# KiCad board gnss_card_rev1.kicad_pcb (continued)
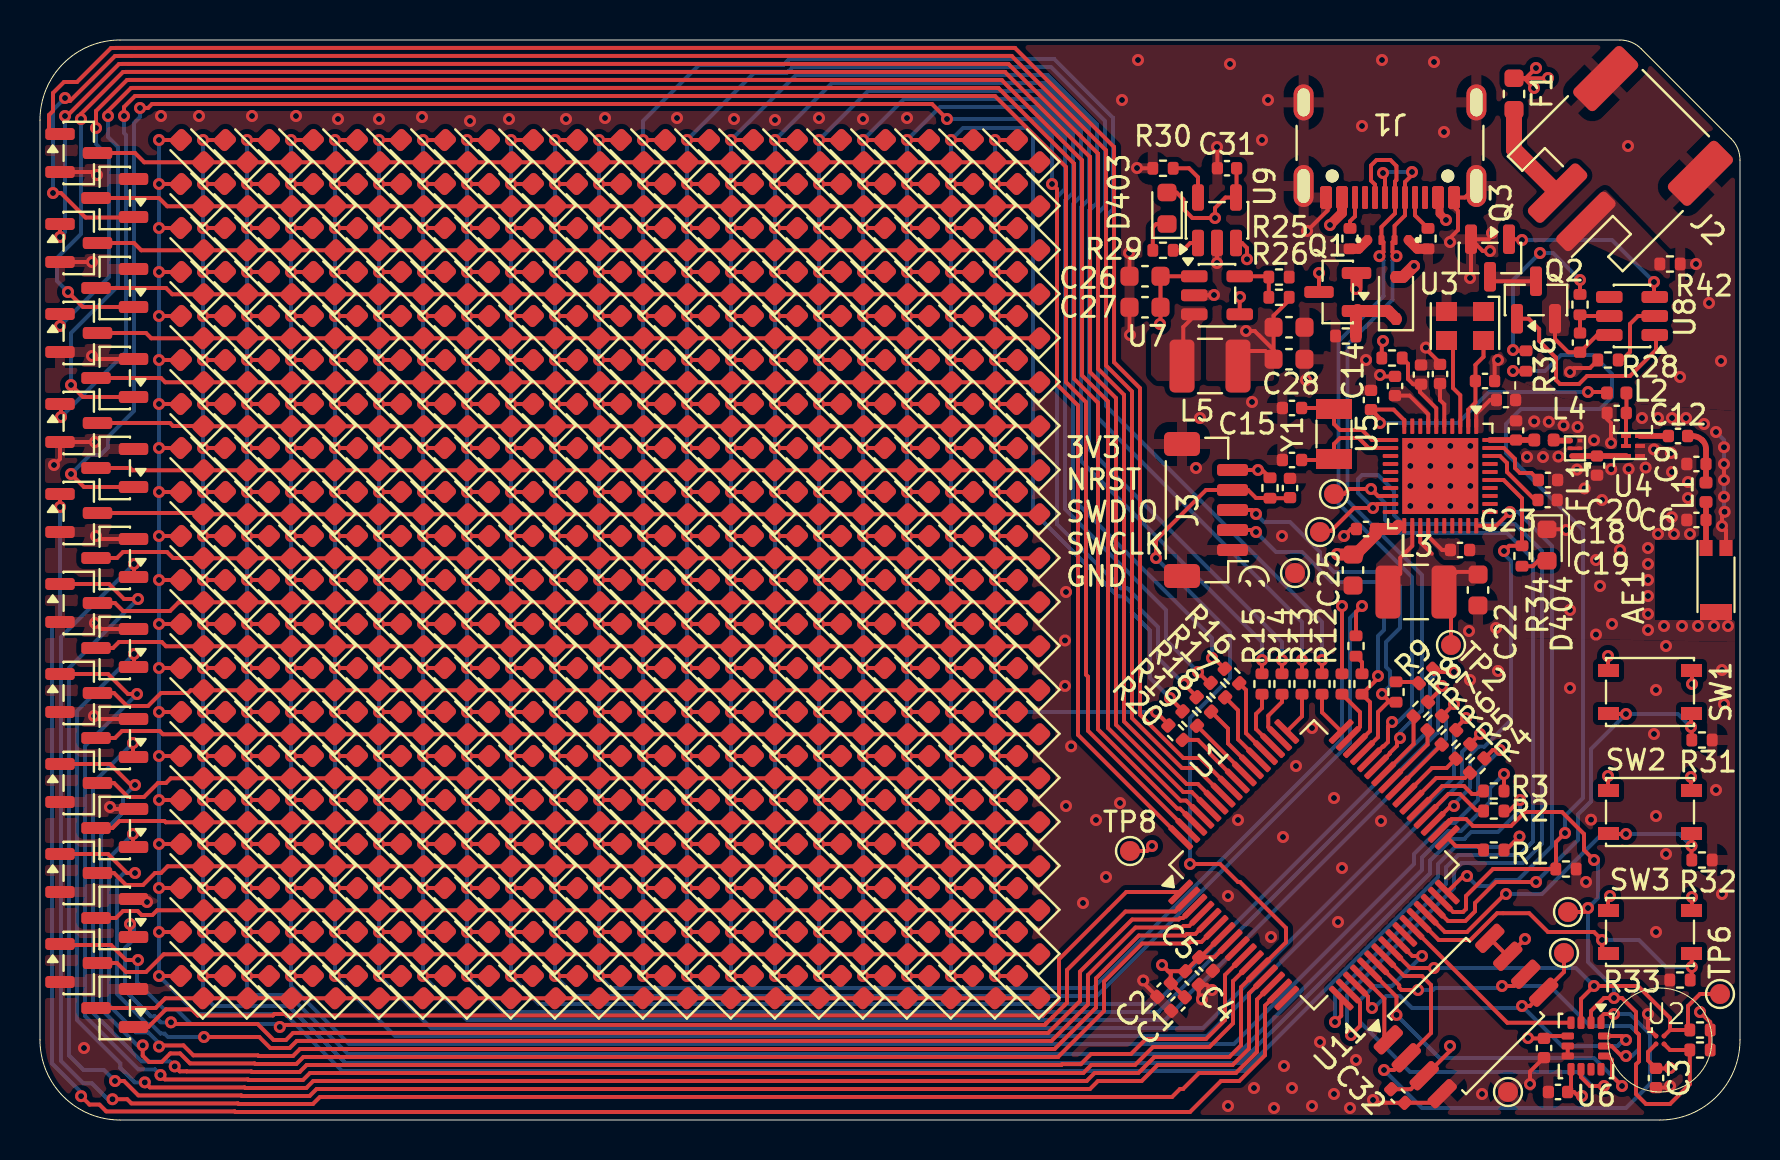
[diagram p0: board, top side]
## Placement (name value [footprint] x y rotation side) (continued)
D313  LED_45deg  [LED_0603_1608Metric]  40.61 22.04 135 top
D314  LED_45deg  [LED_0603_1608Metric]  40.61 19.84 135 top
D315  LED_45deg  [LED_0603_1608Metric]  40.61 17.64 135 top
D316  LED_45deg  [LED_0603_1608Metric]  40.61 15.44 135 top
D317  LED_45deg  [LED_0603_1608Metric]  40.61 13.24 135 top
D318  LED_45deg  [LED_0603_1608Metric]  40.61 11.04 135 top
D319  LED_45deg  [LED_0603_1608Metric]  40.61 8.84 135 top
D320  LED_45deg  [LED_0603_1608Metric]  40.61 6.64 135 top
D321  LED_45deg  [LED_0603_1608Metric]  42.81 48.44 135 top
D322  LED_45deg  [LED_0603_1608Metric]  42.81 46.24 135 top
D323  LED_45deg  [LED_0603_1608Metric]  42.81 44.04 135 top
D324  LED_45deg  [LED_0603_1608Metric]  42.81 41.84 135 top
D325  LED_45deg  [LED_0603_1608Metric]  42.81 39.64 135 top
D326  LED_45deg  [LED_0603_1608Metric]  42.81 37.44 135 top
D327  LED_45deg  [LED_0603_1608Metric]  42.81 35.24 135 top
D328  LED_45deg  [LED_0603_1608Metric]  42.81 33.04 135 top
D329  LED_45deg  [LED_0603_1608Metric]  42.81 30.84 135 top
D330  LED_45deg  [LED_0603_1608Metric]  42.81 28.64 135 top
D331  LED_45deg  [LED_0603_1608Metric]  42.81 26.44 135 top
D332  LED_45deg  [LED_0603_1608Metric]  42.81 24.24 135 top
D333  LED_45deg  [LED_0603_1608Metric]  42.81 22.04 135 top
D334  LED_45deg  [LED_0603_1608Metric]  42.81 19.84 135 top
D335  LED_45deg  [LED_0603_1608Metric]  42.81 17.64 135 top
D336  LED_45deg  [LED_0603_1608Metric]  42.81 15.44 135 top
D337  LED_45deg  [LED_0603_1608Metric]  42.81 13.24 135 top
D338  LED_45deg  [LED_0603_1608Metric]  42.81 11.04 135 top
D339  LED_45deg  [LED_0603_1608Metric]  42.81 8.84 135 top
D340  LED_45deg  [LED_0603_1608Metric]  42.81 6.64 135 top
D341  LED_45deg  [LED_0603_1608Metric]  45.01 48.44 135 top
D342  LED_45deg  [LED_0603_1608Metric]  45.01 46.24 135 top
D343  LED_45deg  [LED_0603_1608Metric]  45.01 44.04 135 top
D344  LED_45deg  [LED_0603_1608Metric]  45.01 41.84 135 top
D345  LED_45deg  [LED_0603_1608Metric]  45.01 39.64 135 top
D346  LED_45deg  [LED_0603_1608Metric]  45.01 37.44 135 top
D347  LED_45deg  [LED_0603_1608Metric]  45.01 35.24 135 top
D348  LED_45deg  [LED_0603_1608Metric]  45.01 33.04 135 top
D349  LED_45deg  [LED_0603_1608Metric]  45.01 30.84 135 top
D350  LED_45deg  [LED_0603_1608Metric]  45.01 28.64 135 top
D351  LED_45deg  [LED_0603_1608Metric]  45.01 26.44 135 top
D352  LED_45deg  [LED_0603_1608Metric]  45.01 24.24 135 top
D353  LED_45deg  [LED_0603_1608Metric]  45.01 22.04 135 top
D354  LED_45deg  [LED_0603_1608Metric]  45.01 19.84 135 top
D355  LED_45deg  [LED_0603_1608Metric]  45.01 17.64 135 top
D356  LED_45deg  [LED_0603_1608Metric]  45.01 15.44 135 top
D357  LED_45deg  [LED_0603_1608Metric]  45.01 13.24 135 top
D358  LED_45deg  [LED_0603_1608Metric]  45.01 11.04 135 top
D359  LED_45deg  [LED_0603_1608Metric]  45.01 8.84 135 top
D360  LED_45deg  [LED_0603_1608Metric]  45.01 6.64 135 top
D361  LED_45deg  [LED_0603_1608Metric]  47.21 48.44 135 top
D362  LED_45deg  [LED_0603_1608Metric]  47.21 46.24 135 top
D363  LED_45deg  [LED_0603_1608Metric]  47.21 44.04 135 top
D364  LED_45deg  [LED_0603_1608Metric]  47.21 41.84 135 top
D365  LED_45deg  [LED_0603_1608Metric]  47.21 39.64 135 top
D366  LED_45deg  [LED_0603_1608Metric]  47.21 37.44 135 top
D367  LED_45deg  [LED_0603_1608Metric]  47.21 35.24 135 top
D368  LED_45deg  [LED_0603_1608Metric]  47.21 33.04 135 top
D369  LED_45deg  [LED_0603_1608Metric]  47.21 30.84 135 top
D370  LED_45deg  [LED_0603_1608Metric]  47.21 28.64 135 top
D371  LED_45deg  [LED_0603_1608Metric]  47.21 26.44 135 top
D372  LED_45deg  [LED_0603_1608Metric]  47.21 24.24 135 top
D373  LED_45deg  [LED_0603_1608Metric]  47.21 22.04 135 top
D374  LED_45deg  [LED_0603_1608Metric]  47.21 19.84 135 top
D375  LED_45deg  [LED_0603_1608Metric]  47.21 17.64 135 top
D376  LED_45deg  [LED_0603_1608Metric]  47.21 15.44 135 top
D377  LED_45deg  [LED_0603_1608Metric]  47.21 13.24 135 top
D378  LED_45deg  [LED_0603_1608Metric]  47.21 11.04 135 top
D379  LED_45deg  [LED_0603_1608Metric]  47.21 8.84 135 top
D380  LED_45deg  [LED_0603_1608Metric]  47.21 6.64 135 top
D381  LED_45deg  [LED_0603_1608Metric]  49.41 48.44 135 top
D382  LED_45deg  [LED_0603_1608Metric]  49.41 46.24 135 top
D383  LED_45deg  [LED_0603_1608Metric]  49.41 44.04 135 top
D384  LED_45deg  [LED_0603_1608Metric]  49.41 41.84 135 top
D385  LED_45deg  [LED_0603_1608Metric]  49.41 39.64 135 top
D386  LED_45deg  [LED_0603_1608Metric]  49.41 37.44 135 top
D387  LED_45deg  [LED_0603_1608Metric]  49.41 35.24 135 top
D388  LED_45deg  [LED_0603_1608Metric]  49.41 33.04 135 top
D389  LED_45deg  [LED_0603_1608Metric]  49.41 30.84 135 top
D390  LED_45deg  [LED_0603_1608Metric]  49.41 28.64 135 top
D391  LED_45deg  [LED_0603_1608Metric]  49.41 26.44 135 top
D392  LED_45deg  [LED_0603_1608Metric]  49.41 24.24 135 top
D393  LED_45deg  [LED_0603_1608Metric]  49.41 22.04 135 top
D394  LED_45deg  [LED_0603_1608Metric]  49.41 19.84 135 top
D395  LED_45deg  [LED_0603_1608Metric]  49.41 17.64 135 top
D396  LED_45deg  [LED_0603_1608Metric]  49.41 15.44 135 top
D397  LED_45deg  [LED_0603_1608Metric]  49.41 13.24 135 top
D398  LED_45deg  [LED_0603_1608Metric]  49.41 11.04 135 top
D399  LED_45deg  [LED_0603_1608Metric]  49.41 8.84 135 top
D400  LED_45deg  [LED_0603_1608Metric]  49.41 6.64 135 top
D401  D_TVS  [Texas_DPY0002A_0.6x1mm_P0.65mm]  68.08 44 180 top
D402  D_TVS  [Texas_DPY0002A_0.6x1mm_P0.65mm]  66.72 44 0 top
D403  LED  [LED_0603_1608Metric]  56.35 45.59 90 top
D404  LED  [LED_0603_1608Metric]  75.35 28.75 270 top
D405  D_Schottky  [D_SOD-323]  67.8 41.1 90 top
F1  Fuse  [Fuse_0603_1608Metric]  73.7 51.3 90 top
FL1  SAFFB1G58KA0F0A  [Filter_1109-5_1.1x0.9mm]  76.75 33.59 90 top
J1  USB_C_Receptacle_USB2.0_16P  [USB_C_Receptacle_GCT_USB4105-xx-A_16P_TopMnt_Horizontal]  67.5 49.8 180 top
J2  Conn_01x02_MountingPin  [JST_PH_S2B-PH-SM4-TB_1x02-1MP_P2.00mm_Horizontal]  78.6 47.65 135 top
J3  Conn_01x05_Pin  [JST_SH_BM05B-SRSS-TB_1x05-1MP_P1.00mm_Vertical]  58.3 30.5 90 top
L1  0R  [L_0402_1005Metric]  83.3 31.39 270 top
L2  33nH  [L_0402_1005Metric]  78.83 36.35 180 top
L3  2.2uH  [L_1210_3225Metric]  68.8 26.4 0 top
L4  0R  [L_0402_1005Metric]  75.2 34 0 top
L5  2.2uH  [L_1210_3225Metric]  58.5 37.7 0 top
Q1  AO3401A  [SOT-23]  64.89 41.4 180 top
Q2  AO3400A  [SOT-23]  74.8 41 90 top
Q3  AO3400A  [SOT-23]  72.5 43.1 270 top
Q4  AO3400A  [SOT-23]  1.94 48.35 0 top
Q5  AO3400A  [SOT-23]  3.74 46.1 180 top
Q6  AO3400A  [SOT-23]  1.94 43.85 0 top
Q7  AO3400A  [SOT-23]  3.74 41.6 180 top
Q8  AO3400A  [SOT-23]  1.94 39.35 0 top
Q9  AO3400A  [SOT-23]  3.74 37.1 180 top
Q10  AO3400A  [SOT-23]  1.94 34.85 0 top
Q11  AO3400A  [SOT-23]  3.74 32.6 180 top
Q12  AO3400A  [SOT-23]  1.94 30.35 0 top
Q13  AO3400A  [SOT-23]  3.74 28.1 180 top
Q14  AO3400A  [SOT-23]  1.94 25.85 0 top
Q15  AO3400A  [SOT-23]  3.74 23.6 180 top
Q16  AO3400A  [SOT-23]  1.94 21.35 0 top
Q17  AO3400A  [SOT-23]  3.74 19.1 180 top
Q18  AO3400A  [SOT-23]  1.94 16.85 0 top
Q19  AO3400A  [SOT-23]  3.74 14.6 180 top
Q20  AO3400A  [SOT-23]  1.94 12.35 0 top
Q21  AO3400A  [SOT-23]  3.74 10.1 180 top
Q22  AO3400A  [SOT-23]  1.94 7.85 0 top
Q23  AO3400A  [SOT-23]  3.74 5.6 180 top
R1  R_Small  [R_0402_1005Metric]  72.69 13.5 0 top
R2  R_Small  [R_0402_1005Metric]  72.69 15.45 0 top
R3  R_Small  [R_0402_1005Metric]  72.69 16.45 0 top
R4  R_Small  [R_0402_1005Metric]  71.86 17.72 45 top
R5  R_Small  [R_0402_1005Metric]  71.15 18.43 45 top
R6  R_Small  [R_0402_1005Metric]  70.45 19.13 45 top
R7  R_Small  [R_0402_1005Metric]  69.74 19.84 45 top
R8  R_Small  [R_0402_1005Metric]  69.04 20.54 45 top
R9  R_Small  [R_0402_1005Metric]  69.3 22.2 45 top
R10  R_Small  [R_0402_1005Metric]  65.8 23.7 90 top
R11  R_Small  [R_0402_1005Metric]  65.1 21.8 90 top
R12  R_Small  [R_0402_1005Metric]  64.1 21.8 90 top
R13  R_Small  [R_0402_1005Metric]  63.1 21.8 90 top
R14  R_Small  [R_0402_1005Metric]  62.1 21.8 90 top
R15  R_Small  [R_0402_1005Metric]  61.1 21.8 90 top
R16  R_Small  [R_0402_1005Metric]  59.6 22.2 135 top
R17  R_Small  [R_0402_1005Metric]  58.89 21.49 135 top
R18  R_Small  [R_0402_1005Metric]  58.19 20.78 135 top
R19  R_Small  [R_0402_1005Metric]  57.49 20.07 135 top
R20  R_Small  [R_0402_1005Metric]  56.78 19.36 135 top
R21  0  [R_0402_1005Metric]  67.6 38.1 180 top
R22  5.1k  [R_0402_1005Metric]  65.5 44.07 270 top
R23  5.1k  [R_0402_1005Metric]  69.4 44.07 270 top
R24  100k  [R_0402_1005Metric]  65.29 39.2 180 top
R25  1k  [R_0402_1005Metric]  61.95 41.14 0 top
R26  1k  [R_0402_1005Metric]  61.95 42.15 180 top
R27  100  [R_0402_1005Metric]  77 40.77 270 top
R28  1k  [R_0402_1005Metric]  78.4 38 0 top
R29  1k  [R_0402_1005Metric]  56.15 43.49 0 top
R30  5.1k  [R_0402_1005Metric]  56.15 47.59 180 top
R31  10k  [R_0402_1005Metric]  83.1 19 0 top
R32  10k  [R_0402_1005Metric]  83.1 13 0 top
R33  10k  [R_0402_1005Metric]  82 7 180 top
R34  1k  [R_0402_1005Metric]  74.1 28.2 90 top
R35  10k  [R_0402_1005Metric]  83 4.5 180 top
R36  10k  [R_0402_1005Metric]  74.3 37.95 270 top
R37  10k  [R_0402_1005Metric]  76.3 12.55 0 top
R38  10k  [R_0402_1005Metric]  83 3.5 180 top
R39  10k  [R_0402_1005Metric]  61.5 31.6 270 top
R40  0R  [R_0402_1005Metric]  67.8 21.4 270 top
R41  0R  [R_0402_1005Metric]  66.1 21.8 270 top
R42  0  [R_0402_1005Metric]  81.5 42.8 0 top  (not fitted)
REF**  -  [wavy_baby_2x2_2]  60.7 26.8 0 top
SW1  SW_SPST  [SW_SPST_PTS810]  80.5 21.4 0 top
SW2  SW_SPST  [SW_SPST_PTS810]  80.5 15.4 0 top
SW3  SW_SPST  [SW_SPST_PTS810]  80.5 9.4 0 top
TP1  TestPoint  [TestPoint_Pad_D1.0mm]  64.7 31.3 0 top
TP2  TestPoint  [TestPoint_Pad_D1.0mm]  70.55 23.75 0 top
TP3  TestPoint  [TestPoint_Pad_D1.0mm]  64 29.4 0 top
TP4  TestPoint  [TestPoint_Pad_D1.0mm]  76.2 8.35 0 top
TP5  TestPoint  [TestPoint_Pad_D1.0mm]  76.4 10.4 90 top
TP6  TestPoint  [TestPoint_Pad_D1.0mm]  84 6.3 90 top
TP7  TestPoint  [TestPoint_Pad_D1.0mm]  73.4 1.4 0 top
TP8  TestPoint  [TestPoint_Pad_D1.0mm]  54.5 13.45 0 top
TP9  TestPoint  [TestPoint_Pad_D1.0mm]  62.75 27.35 0 top
U1  STM32C071R8Tx  [LQFP-64_10x10mm_P0.5mm]  63.7 12.76 45 top
U2  MMC5633NJL  [DSBGA4_JLC]  81 4 0 top
U3  KC2520Z  [Oscillator_SMD_Kyocera_KC2520Z-4Pin_2.5x2.0mm]  71.25 39.7 270 top
U4  ~  [QFN-6_1.6x1_Pitch0.5mm]  79.65 33.7 180 top
U5  ~  [QFN-40-1EP_5x5mm_P0.4mm_EP3.8x3.8mm]  70.01 32.2 270 top
U6  LSM6DS3  [LGA-14_3x2.5mm_P0.5mm_LayoutBorder3x4y]  77.3 3.7 270 top
U7  LTC3406AES5  [TSOT-23-5]  58.85 41.24 0 top
U8  DW01A  [SOT-23-6]  79.6 40.2 180 top
U9  LTC4054ES5-4.2  [TSOT-23-5]  58.85 44.99 90 top
U11  MX25L3233FM2  [SOIC-8_5.3x5.3mm_P1.27mm]  71.3 5.2 45 top
Y1  Crystal  [Crystal_SMD_3215-2Pin_3.2x1.5mm]  64.7 34.3 90 top

## Library data of the parts
AE1 = -: Description: Ceramic chip antenna with pin for PCB trace
C1-C5 C30-C35 = -: Description: Unpolarized capacitor, small symbol; ki_fp_filters: C_*
C6-C29 = -: ki_fp_filters: C_*
D1-D400 = -: Description: Light emitting diode, rotated by 45°; Sim.Pins: 1=K 2=A; ki_fp_filters: LED* LED_SMD:* LED_THT:*
D401 D402 = -: Description: Bidirectional transient-voltage-suppression diode; ki_fp_filters: TO-???* *_Diode_* *SingleDiode* D_*
D403 D404 = -: Description: Light emitting diode; Sim.Pins: 1=K 2=A; ki_fp_filters: LED* LED_SMD:* LED_THT:*
D405 = -: Description: Schottky diode; ki_fp_filters: TO-???* *_Diode_* *SingleDiode* D_*
F1 = -: ki_fp_filters: *Fuse*
FL1 = -: Datasheet: https://www.murata.com/~/media/webrenewal/support/library/catalog/products/filter/rf/p73e.ashx?la=en; Description: Murata 1575.42/1602MHz SAW filter, SMD 1109; ki_fp_filters: Filter*1109*1.1x0.9mm*
J1 = -: Datasheet: https://www.usb.org/sites/default/files/documents/usb_type-c.zip; Description: USB 2.0-only 16P Type-C Receptacle connector; ki_fp_filters: USB*C*Receptacle*
J2 = -: Description: Generic connectable mounting pin connector, single row, 01x02, script generated (kicad-library-utils/schlib/autogen/connector/); ki_fp_filters: Connector*:*_1x??-1MP*
J3 = -: Description: Generic connectable mounting pin connector, single row, 01x05, script generated (kicad-library-utils/schlib/autogen/connector/); ki_fp_filters: Connector*:*_1x??-1MP*
L1-L4 = -: ki_fp_filters: Choke_* *Coil* Inductor_* L_*
L5 = -: Description: Inductor, small symbol; ki_fp_filters: Choke_* *Coil* Inductor_* L_*
Q1 = -: Datasheet: http://www.aosmd.com/pdfs/datasheet/AO3401A.pdf; Description: -4.0A Id, -30V Vds, P-Channel MOSFET, SOT-23; ki_fp_filters: SOT?23*
Q2-Q23 = -: Datasheet: http://www.aosmd.com/pdfs/datasheet/AO3400A.pdf; Description: 30V Vds, 5.7A Id, N-Channel MOSFET, SOT-23; ki_fp_filters: SOT?23*
R1-R20 R22-R33 R35-R42 = -: Description: Resistor, small symbol; ki_fp_filters: R_*
R21 R34 = -: ki_fp_filters: R_*
SW1-SW3 = -: Description: Single Pole Single Throw (SPST) switch
TP1-TP9 = -: Description: test point; ki_fp_filters: Pin* Test*
U1 = -: Datasheet: https://www.st.com/resource/en/datasheet/stm32c071r8.pdf; Description: STMicroelectronics Arm Cortex-M0+ MCU, 64KB flash, 24KB RAM, 61 GPIO, LQFP64_GP; ki_fp_filters: LQFP*10x10mm*P0.5mm*
U2 = -: Datasheet: http://www.memsic.com/uploadfiles/2020/08/20200827165106864.pdf; Description: 3-axis AMR Magnetometer, 30 G, I2C & I3C  Interface, 2mG RMS, WLP-4; ki_fp_filters: WLP*0.86x0.86mm?P0.4mm*
U3 = -: Datasheet: https://global.kyocera.com/prdct/electro/product/pdf/clock_z_xz_e.pdf; ki_fp_filters: Oscillator*SMD*Kyocera*KC2520Z*2.5x2.0mm*
U6 = -: Datasheet: https://www.st.com/resource/en/datasheet/lsm6ds3tr-c.pdf; Description: I2C/SPI, iNEMO inertial module: always-on 3D accelerometer and 3D gyroscope; ki_fp_filters: LGA*3x2.5mm*P0.5mm*LayoutBorder3x4y*
U7 = -: Datasheet: https://www.analog.com/media/en/technical-documentation/data-sheets/3406afa.pdf; Description: 600mA Synchronous Step-Down Regulator, 1.5MHz, Fixed 1.2V Output Voltage, Low Ripple Burst Mode, ThinSOT-23; ki_fp_filters: TSOT?23*
U8 = -: Datasheet: https://hmsemi.com/downfile/DW01A.PDF; Description: Overcharge, overcurrent and overdischarge protection IC for single cell lithium-ion/polymer battery; ki_fp_filters: SOT?23*
U9 = -: Datasheet: https://www.analog.com/media/en/technical-documentation/data-sheets/405442xf.pdf; Description: Constant-current/constant-voltage linear charger for single cell lithium-ion batteries with 2.9V Trickle Charge, 4.5V to 6.5V VDD, -40 to +85 degree Celsius, TSOT-23-5; ki_fp_filters: TSOT?23*
U11 = -: Datasheet: https://www.macronix.com/Lists/Datasheet/Attachments/8933/MX25L3233F,%203V,%2032Mb,%20v1.7.pdf; Description: 32-Mbit, 3V (2.65V-3.6V) SPI Serial Flash Memory, SOIC-8 (SOP-8, 208 mil); ki_fp_filters: *SOIC*5.3x5.3mm*P1.27mm*
Y1 = -: Description: Two pin crystal; ki_fp_filters: Crystal*

## Footprints (pads in the part's own frame, mm; a bottom-side part is the same pattern mirrored in y, then rotated)
C_0402_1005Metric
  rrect 0.56x0.62 smd: 1(-0.48,0) 2(0.48,0)
C_0603_1608Metric
  rrect 0.9x0.95 smd: 1(-0.775,0) 2(0.775,0)
Crystal_SMD_3215-2Pin_3.2x1.5mm
  rect 1x1.8 smd: 1(1.25,0) 2(-1.25,0)
D_SOD-323
  rrect 0.6x0.45 smd: 1(-1.05,0) 2(1.05,0)
DSBGA4_JLC
  round 0.25 smd: A1(-0.2,0.2) A2(0.2,0.2) B1(-0.2,-0.2) B2(0.2,-0.2)
Filter_1109-5_1.1x0.9mm
  rect 0.18x0.25 smd: 1(-0.385,0) 2(0,-0.25) 3(0.385,-0.25) 4(0.385,0.25) 5(0,0.25)
Fuse_0603_1608Metric
  rrect 0.875x0.95 smd: 1(-0.787,0) 2(0.787,0)
JST_PH_S2B-PH-SM4-TB_1x02-1MP_P2.00mm_Horizontal
  rrect 1x3.5 smd: 1(-1,2.85) 2(1,2.85)
  rrect 1.5x3.4 smd: MP(-3.35,-2.9) MP(3.35,-2.9)
JST_SH_BM05B-SRSS-TB_1x05-1MP_P1.00mm_Vertical
  rrect 0.6x1.55 smd: 1(-2,-1.325) 2(-1,-1.325) 3(0,-1.325) 4(1,-1.325) 5(2,-1.325)
  rrect 1.2x1.8 smd: MP(-3.3,1.2) MP(3.3,1.2)
L_0402_1005Metric
  rrect 0.59x0.64 smd: 1(-0.485,0) 2(0.485,0)
L_1210_3225Metric
  rrect 1.25x2.65 smd: 1(-1.4,0) 2(1.4,0)
LED_0603_1608Metric
  rrect 0.875x0.95 smd: 1(-0.788,0) 2(0.788,0)
LGA-14_3x2.5mm_P0.5mm_LayoutBorder3x4y
  rrect 0.625x0.35 smd: 1(-1.163,0.75) 2(-1.163,0.25) 3(-1.163,-0.25) 4(-1.163,-0.75) 8(1.163,-0.75) 9(1.163,-0.25) 10(1.163,0.25) 11(1.163,0.75)
  rrect 0.35x0.625 smd: 5(-0.5,-0.912) 6(0,-0.912) 7(0.5,-0.912) 12(0.5,0.912) 13(0,0.912) 14(-0.5,0.912)
LQFP-64_10x10mm_P0.5mm
  rrect 1.55x0.3 smd: 1(-5.675,3.75) 2(-5.675,3.25) 3(-5.675,2.75) 4(-5.675,2.25) 5(-5.675,1.75) 6(-5.675,1.25) 7(-5.675,0.75) 8(-5.675,0.25) 9(-5.675,-0.25) 10(-5.675,-0.75) 11(-5.675,-1.25) 12(-5.675,-1.75) 13(-5.675,-2.25) 14(-5.675,-2.75) 15(-5.675,-3.25) 16(-5.675,-3.75) 33(5.675,-3.75) 34(5.675,-3.25) 35(5.675,-2.75) 36(5.675,-2.25) 37(5.675,-1.75) 38(5.675,-1.25) 39(5.675,-0.75) 40(5.675,-0.25) 41(5.675,0.25) 42(5.675,0.75) 43(5.675,1.25) 44(5.675,1.75) 45(5.675,2.25) 46(5.675,2.75) 47(5.675,3.25) 48(5.675,3.75)
  rrect 0.3x1.55 smd: 17(-3.75,-5.675) 18(-3.25,-5.675) 19(-2.75,-5.675) 20(-2.25,-5.675) 21(-1.75,-5.675) 22(-1.25,-5.675) 23(-0.75,-5.675) 24(-0.25,-5.675) 25(0.25,-5.675) 26(0.75,-5.675) 27(1.25,-5.675) 28(1.75,-5.675) 29(2.25,-5.675) 30(2.75,-5.675) 31(3.25,-5.675) 32(3.75,-5.675) 49(3.75,5.675) 50(3.25,5.675) 51(2.75,5.675) 52(2.25,5.675) 53(1.75,5.675) 54(1.25,5.675) 55(0.75,5.675) 56(0.25,5.675) 57(-0.25,5.675) 58(-0.75,5.675) 59(-1.25,5.675) 60(-1.75,5.675) 61(-2.25,5.675) 62(-2.75,5.675) 63(-3.25,5.675) 64(-3.75,5.675)
Oscillator_SMD_Kyocera_KC2520Z-4Pin_2.5x2.0mm
  rect 0.95x1.05 smd: 1(-0.725,0.925) 2(-0.725,-0.925) 3(0.725,-0.925) 4(0.725,0.925)
Pulse_W3011
  trapezoid 0.65x0.8 smd: 1(-0.5,1.6) 2(0.5,1.6)
  trapezoid 1.6x0.8 smd: 2(0,-1.6)
QFN-6_1.6x1_Pitch0.5mm
  rect 0.5x0.2 smd: 1(-0.35,0.5) 2(-0.35,0) 3(-0.35,-0.5) 4(0.35,-0.5) 5(0.35,0) 6(0.35,0.5)
QFN-40-1EP_5x5mm_P0.4mm_EP3.8x3.8mm
  rrect 1.02x1.02 smd: (-1.27,1.27) (-1.27,0) (-1.27,-1.27) (0,1.27) (0,0) (0,-1.27) (1.27,1.27) (1.27,0) (1.27,-1.27)
  rrect 0.775x0.2 smd: 1(-2.487,1.8) 2(-2.487,1.4) 3(-2.487,1) 4(-2.487,0.6) 5(-2.487,0.2) 6(-2.487,-0.2) 7(-2.487,-0.6) 8(-2.487,-1) 9(-2.487,-1.4) 10(-2.487,-1.8) 21(2.487,-1.8) 22(2.487,-1.4) 23(2.487,-1) 24(2.487,-0.6) 25(2.487,-0.2) 26(2.487,0.2) 27(2.487,0.6) 28(2.487,1) 29(2.487,1.4) 30(2.487,1.8)
  rrect 0.2x0.775 smd: 11(-1.8,-2.487) 12(-1.4,-2.487) 13(-1,-2.487) 14(-0.6,-2.487) 15(-0.2,-2.487) 16(0.2,-2.487) 17(0.6,-2.487) 18(1,-2.487) 19(1.4,-2.487) 20(1.8,-2.487) 31(1.8,2.487) 32(1.4,2.487) 33(1,2.487) 34(0.6,2.487) 35(0.2,2.487) 36(-0.2,2.487) 37(-0.6,2.487) 38(-1,2.487) 39(-1.4,2.487) 40(-1.8,2.487)
  rect 3.8x3.8 smd: 41(0,0)
R_0402_1005Metric
  rrect 0.54x0.64 smd: 1(-0.51,0) 2(0.51,0)
SOIC-8_5.3x5.3mm_P1.27mm
  rrect 1.625x0.65 smd: 1(-3.587,1.905) 2(-3.587,0.635) 3(-3.587,-0.635) 4(-3.587,-1.905) 5(3.587,-1.905) 6(3.587,-0.635) 7(3.587,0.635) 8(3.587,1.905)
SOT-23
  rrect 1.475x0.6 smd: 1(-0.938,0.95) 2(-0.938,-0.95) 3(0.938,0)
SOT-23-6
  rrect 1.325x0.6 smd: 1(-1.137,0.95) 2(-1.137,0) 3(-1.137,-0.95) 4(1.137,-0.95) 5(1.137,0) 6(1.137,0.95)
SW_SPST_PTS810
  rect 1.05x0.65 smd: 1(-2.075,1.075) 1(2.075,1.075) 2(-2.075,-1.075) 2(2.075,-1.075)
TestPoint_Pad_D1.0mm
  round 1 smd: 1(0,0)
Texas_DPY0002A_0.6x1mm_P0.65mm
  rrect 0.3x0.5 smd: 1(-0.35,0) 2(0.35,0)
TSOT-23-5
  rrect 1.325x0.6 smd: 1(-1.137,0.95) 2(-1.137,0) 3(-1.137,-0.95) 4(1.137,-0.95) 5(1.137,0.95)
USB_C_Receptacle_GCT_USB4105-xx-A_16P_TopMnt_Horizontal
  round 0.65 hole 0.65 unplated: (-2.89,2.605) (2.89,2.605)
  rrect 0.6x1.15 smd: A1(-3.2,3.68) A4(-2.4,3.68) A9(2.4,3.68) A12(3.2,3.68) B1(3.2,3.68) B4(2.4,3.68) B9(-2.4,3.68) B12(-3.2,3.68)
  rrect 0.3x1.15 smd: A5(-1.25,3.68) A6(-0.25,3.68) A7(0.25,3.68) A8(1.25,3.68) B5(1.75,3.68) B6(0.75,3.68) B7(-0.75,3.68) B8(-1.75,3.68)
  oval 1x2.1 hole 0.6x1.7: S1(-4.32,3.105) S1(4.32,3.105)
  oval 1x1.8 hole 0.6x1.4: S1(-4.32,-1.075) S1(4.32,-1.075)

## Nets
+3V3: C1.1 C2.1 C3.1 C4.1 C5.1 C21.1 C25.1 C28.2 C29.2 C32.1 C33.1 C34.1 J3.5 L5.2 R21.2 R25.2 R35.1 R38.1 R39.1 SW1.1 SW2.1 SW3.1 TP8.1 U1.7 U1.8 U2.B1 U5.21 U6.5 U6.8 U11.3 U11.7 U11.8
GND: AE1.2 C1.2 C2.2 C3.2 C4.2 C5.2 C6.1 C7.2 C8.1 C9.1 C10.1 C11.1 C13.2 C14.1 C15.1 C16.1 C17.1 C18.1 C19.1 C20.1 C21.2 C22.2 C23.2 C24.1 C25.2 C26.1 C27.1 C28.1 C29.1 C31.2 C32.2 C33.2 C34.2 C35.2 D401.1 D402.1 D404.1 FL1.2 FL1.3 FL1.5 J1.A1 J1.A12 J1.B1 J1.B12 J1.S1 J2.MP J3.1 J3.MP Q3.2 Q4.2 Q5.2 Q6.2 Q7.2 Q8.2 Q9.2 Q10.2 Q11.2 Q12.2 Q13.2 Q14.2 Q15.2 Q16.2 Q17.2 Q18.2 Q19.2 Q20.2 Q21.2 Q22.2 Q23.2 R22.2 R23.2 R24.2 R26.1 R28.1 R30.2 R31.2 R32.2 R33.2 R37.2 R42.2 TP7.1 TP9.1 U1.9 U2.A1 U3.1 U3.2 U4.1 U4.2 U5.41 U6.6 U6.7 U7.2 U9.2 U11.4
VBUS: C31.1 D403.2 D405.2 J1.A4 J1.A9 J1.B4 J1.B9 U9.4
1PPS: R34.2 U1.35 U5.35
+BATT: F1.2 Q1.3 R27.1 R36.1 U9.3
ANT_BIAS: C14.2 L2.2 U5.10
COL1: R1.1 U1.33
COL2: R2.1 U1.36
COL3: R3.1 U1.37
COL4: R4.1 U1.38
COL5: R5.1 U1.39
COL6: R6.1 U1.40
COL7: R7.1 U1.41
COL8: R8.1 U1.42
COL9: R9.1 R40.1
COL10: R10.1 R41.1
COL11: R11.1 U1.47
COL12: R12.1 U1.48
COL13: R13.1 U1.49
COL14: R14.1 U1.50
COL15: R15.1 U1.51
COL16: R16.1 U1.52
COL17: R17.1 U1.53
COL18: R18.1 U1.54
COL19: R19.1 U1.55
COL20: R20.1 U1.56
FLASH_CS: U1.20 U11.1
GNSS_EN: U1.32 U5.30
GNSS_RX: TP1.1 U1.17 U5.18
GNSS_TX: TP3.1 U1.18 U5.19
LSM6DS3_CS: U1.21 U6.12
LSM6DS3_INT1: U1.27 U6.4
LSM6DS3_INT2: U1.25 U6.9
RFOUT: C24.2 L4.1 U5.40
ROW1: Q4.1 U1.57
ROW2: Q5.1 U1.58
ROW3: Q6.1 U1.59
ROW4: Q7.1 U1.60
ROW5: Q8.1 U1.61
ROW6: Q9.1 U1.62
ROW7: Q10.1 U1.63
ROW8: Q11.1 U1.64
ROW9: Q12.1 U1.15
ROW10: Q13.1 U1.14
ROW11: Q14.1 U1.13
ROW12: C35.1 J3.4 Q15.1 R39.2 U1.12
ROW13: Q16.1 U1.11
ROW14: Q17.1 U1.10
ROW15: Q18.1 U1.6
ROW16: Q19.1 U1.5
ROW17: Q20.1 U1.4
ROW18: Q21.1 U1.3
ROW19: Q22.1 U1.2
ROW20: Q23.1 U1.1
SCL: R35.2 TP6.1 U1.24 U2.A2 U6.3
SDA: R38.2 TP5.1 U1.34 U2.B2 U6.2
SPI_MISO: U1.23 U6.1 U11.2
SPI_MOSI: TP4.1 U1.19 U6.14 U11.5
SPI_SCK: U1.22 U6.13 U11.6
SW1_IN: R31.1 SW1.2 U1.30
SW2_IN: R32.1 SW2.2 U1.29
SW3_IN: R33.1 SW3.2 U1.28
SWCLK: J3.2 R41.2 U1.46
SWDIO: J3.3 R40.2 U1.45
USB_D+: D402.2 J1.A6 J1.B6 U1.44
USB_D-: D401.2 J1.A7 J1.B7 U1.43
Net-(AE1-FEED): AE1.1 C6.2 L1.2
Net-(C12-Pad2): C9.2 C12.2 L1.1
Net-(D1-A): D1.2 D2.2 D3.2 D4.2 D5.2 D6.2 D7.2 D8.2 D9.2 D10.2 D11.2 D12.2 D13.2 D14.2 D15.2 D16.2 D17.2 D18.2 D19.2 D20.2 R1.2
Net-(D1-K): D1.1 D21.1 D41.1 D61.1 D81.1 D101.1 D121.1 D141.1 D161.1 D181.1 D201.1 D221.1 D241.1 D261.1 D281.1 D301.1 D321.1 D341.1 D361.1 D381.1 Q4.3
Net-(D10-K): D10.1 D30.1 D50.1 D70.1 D90.1 D110.1 D130.1 D150.1 D170.1 D190.1 D210.1 D230.1 D250.1 D270.1 D290.1 D310.1 D330.1 D350.1 D370.1 D390.1 Q13.3
Net-(D11-K): D11.1 D31.1 D51.1 D71.1 D91.1 D111.1 D131.1 D151.1 D171.1 D191.1 D211.1 D231.1 D251.1 D271.1 D291.1 D311.1 D331.1 D351.1 D371.1 D391.1 Q14.3
Net-(D21-A): D21.2 D22.2 D23.2 D24.2 D25.2 D26.2 D27.2 D28.2 D29.2 D30.2 D31.2 D32.2 D33.2 D34.2 D35.2 D36.2 D37.2 D38.2 D39.2 D40.2 R2.2
Net-(D41-A): D41.2 D42.2 D43.2 D44.2 D45.2 D46.2 D47.2 D48.2 D49.2 D50.2 D51.2 D52.2 D53.2 D54.2 D55.2 D56.2 D57.2 D58.2 D59.2 D60.2 R3.2
Net-(D61-A): D61.2 D62.2 D63.2 D64.2 D65.2 D66.2 D67.2 D68.2 D69.2 D70.2 D71.2 D72.2 D73.2 D74.2 D75.2 D76.2 D77.2 D78.2 D79.2 D80.2 R4.2
Net-(D100-A): D81.2 D82.2 D83.2 D84.2 D85.2 D86.2 D87.2 D88.2 D89.2 D90.2 D91.2 D92.2 D93.2 D94.2 D95.2 D96.2 D97.2 D98.2 D99.2 D100.2 R5.2
Net-(D100-K): D20.1 D40.1 D60.1 D80.1 D100.1 D120.1 D140.1 D160.1 D180.1 D200.1 D220.1 D240.1 D260.1 D280.1 D300.1 D320.1 D340.1 D360.1 D380.1 D400.1 Q23.3
Net-(D101-A): D101.2 D102.2 D103.2 D104.2 D105.2 D106.2 D107.2 D108.2 D109.2 D110.2 D111.2 D112.2 D113.2 D114.2 D115.2 D116.2 D117.2 D118.2 D119.2 D120.2 R6.2
Net-(D102-K): D2.1 D22.1 D42.1 D62.1 D82.1 D102.1 D122.1 D142.1 D162.1 D182.1 D202.1 D222.1 D242.1 D262.1 D282.1 D302.1 D322.1 D342.1 D362.1 D382.1 Q5.3
Net-(D103-K): D3.1 D23.1 D43.1 D63.1 D83.1 D103.1 D123.1 D143.1 D163.1 D183.1 D203.1 D223.1 D243.1 D263.1 D283.1 D303.1 D323.1 D343.1 D363.1 D383.1 Q6.3
Net-(D104-K): D4.1 D24.1 D44.1 D64.1 D84.1 D104.1 D124.1 D144.1 D164.1 D184.1 D204.1 D224.1 D244.1 D264.1 D284.1 D304.1 D324.1 D344.1 D364.1 D384.1 Q7.3
Net-(D105-K): D5.1 D25.1 D45.1 D65.1 D85.1 D105.1 D125.1 D145.1 D165.1 D185.1 D205.1 D225.1 D245.1 D265.1 D285.1 D305.1 D325.1 D345.1 D365.1 D385.1 Q8.3
Net-(D106-K): D6.1 D26.1 D46.1 D66.1 D86.1 D106.1 D126.1 D146.1 D166.1 D186.1 D206.1 D226.1 D246.1 D266.1 D286.1 D306.1 D326.1 D346.1 D366.1 D386.1 Q9.3
Net-(D107-K): D7.1 D27.1 D47.1 D67.1 D87.1 D107.1 D127.1 D147.1 D167.1 D187.1 D207.1 D227.1 D247.1 D267.1 D287.1 D307.1 D327.1 D347.1 D367.1 D387.1 Q10.3
Net-(D108-K): D8.1 D28.1 D48.1 D68.1 D88.1 D108.1 D128.1 D148.1 D168.1 D188.1 D208.1 D228.1 D248.1 D268.1 D288.1 D308.1 D328.1 D348.1 D368.1 D388.1 Q11.3
Net-(D109-K): D9.1 D29.1 D49.1 D69.1 D89.1 D109.1 D129.1 D149.1 D169.1 D189.1 D209.1 D229.1 D249.1 D269.1 D289.1 D309.1 D329.1 D349.1 D369.1 D389.1 Q12.3
Net-(D112-K): D12.1 D32.1 D52.1 D72.1 D92.1 D112.1 D132.1 D152.1 D172.1 D192.1 D212.1 D232.1 D252.1 D272.1 D292.1 D312.1 D332.1 D352.1 D372.1 D392.1 Q15.3
Net-(D113-K): D13.1 D33.1 D53.1 D73.1 D93.1 D113.1 D133.1 D153.1 D173.1 D193.1 D213.1 D233.1 D253.1 D273.1 D293.1 D313.1 D333.1 D353.1 D373.1 D393.1 Q16.3
Net-(D114-K): D14.1 D34.1 D54.1 D74.1 D94.1 D114.1 D134.1 D154.1 D174.1 D194.1 D214.1 D234.1 D254.1 D274.1 D294.1 D314.1 D334.1 D354.1 D374.1 D394.1 Q17.3
Net-(D115-K): D15.1 D35.1 D55.1 D75.1 D95.1 D115.1 D135.1 D155.1 D175.1 D195.1 D215.1 D235.1 D255.1 D275.1 D295.1 D315.1 D335.1 D355.1 D375.1 D395.1 Q18.3
Net-(D116-K): D16.1 D36.1 D56.1 D76.1 D96.1 D116.1 D136.1 D156.1 D176.1 D196.1 D216.1 D236.1 D256.1 D276.1 D296.1 D316.1 D336.1 D356.1 D376.1 D396.1 Q19.3
Net-(D117-K): D17.1 D37.1 D57.1 D77.1 D97.1 D117.1 D137.1 D157.1 D177.1 D197.1 D217.1 D237.1 D257.1 D277.1 D297.1 D317.1 D337.1 D357.1 D377.1 D397.1 Q20.3
Net-(D118-K): D18.1 D38.1 D58.1 D78.1 D98.1 D118.1 D138.1 D158.1 D178.1 D198.1 D218.1 D238.1 D258.1 D278.1 D298.1 D318.1 D338.1 D358.1 D378.1 D398.1 Q21.3
Net-(D119-K): D19.1 D39.1 D59.1 D79.1 D99.1 D119.1 D139.1 D159.1 D179.1 D199.1 D219.1 D239.1 D259.1 D279.1 D299.1 D319.1 D339.1 D359.1 D379.1 D399.1 Q22.3
Net-(D121-A): D121.2 D122.2 D123.2 D124.2 D125.2 D126.2 D127.2 D128.2 D129.2 D130.2 D131.2 D132.2 D133.2 D134.2 D135.2 D136.2 D137.2 D138.2 D139.2 D140.2 R7.2
Net-(D141-A): D141.2 D142.2 D143.2 D144.2 D145.2 D146.2 D147.2 D148.2 D149.2 D150.2 D151.2 D152.2 D153.2 D154.2 D155.2 D156.2 D157.2 D158.2 D159.2 D160.2 R8.2
Net-(D161-A): D161.2 D162.2 D163.2 D164.2 D165.2 D166.2 D167.2 D168.2 D169.2 D170.2 D171.2 D172.2 D173.2 D174.2 D175.2 D176.2 D177.2 D178.2 D179.2 D180.2 R9.2
Net-(D181-A): D181.2 D182.2 D183.2 D184.2 D185.2 D186.2 D187.2 D188.2 D189.2 D190.2 D191.2 D192.2 D193.2 D194.2 D195.2 D196.2 D197.2 D198.2 D199.2 D200.2 R10.2
Net-(D201-A): D201.2 D202.2 D203.2 D204.2 D205.2 D206.2 D207.2 D208.2 D209.2 D210.2 D211.2 D212.2 D213.2 D214.2 D215.2 D216.2 D217.2 D218.2 D219.2 D220.2 R11.2
Net-(D221-A): D221.2 D222.2 D223.2 D224.2 D225.2 D226.2 D227.2 D228.2 D229.2 D230.2 D231.2 D232.2 D233.2 D234.2 D235.2 D236.2 D237.2 D238.2 D239.2 D240.2 R12.2
Net-(D241-A): D241.2 D242.2 D243.2 D244.2 D245.2 D246.2 D247.2 D248.2 D249.2 D250.2 D251.2 D252.2 D253.2 D254.2 D255.2 D256.2 D257.2 D258.2 D259.2 D260.2 R13.2
Net-(D261-A): D261.2 D262.2 D263.2 D264.2 D265.2 D266.2 D267.2 D268.2 D269.2 D270.2 D271.2 D272.2 D273.2 D274.2 D275.2 D276.2 D277.2 D278.2 D279.2 D280.2 R14.2
Net-(D281-A): D281.2 D282.2 D283.2 D284.2 D285.2 D286.2 D287.2 D288.2 D289.2 D290.2 D291.2 D292.2 D293.2 D294.2 D295.2 D296.2 D297.2 D298.2 D299.2 D300.2 R15.2
Net-(D301-A): D301.2 D302.2 D303.2 D304.2 D305.2 D306.2 D307.2 D308.2 D309.2 D310.2 D311.2 D312.2 D313.2 D314.2 D315.2 D316.2 D317.2 D318.2 D319.2 D320.2 R16.2
Net-(D321-A): D321.2 D322.2 D323.2 D324.2 D325.2 D326.2 D327.2 D328.2 D329.2 D330.2 D331.2 D332.2 D333.2 D334.2 D335.2 D336.2 D337.2 D338.2 D339.2 D340.2 R17.2
Net-(D341-A): D341.2 D342.2 D343.2 D344.2 D345.2 D346.2 D347.2 D348.2 D349.2 D350.2 D351.2 D352.2 D353.2 D354.2 D355.2 D356.2 D357.2 D358.2 D359.2 D360.2 R18.2
Net-(D361-A): D361.2 D362.2 D363.2 D364.2 D365.2 D366.2 D367.2 D368.2 D369.2 D370.2 D371.2 D372.2 D373.2 D374.2 D375.2 D376.2 D377.2 D378.2 D379.2 D380.2 R19.2
Net-(D381-A): D381.2 D382.2 D383.2 D384.2 D385.2 D386.2 D387.2 D388.2 D389.2 D390.2 D391.2 D392.2 D393.2 D394.2 D395.2 D396.2 D397.2 D398.2 D399.2 D400.2 R20.2
Net-(D403-K): D403.1 R29.1
Net-(D404-A): D404.2 R34.1
Net-(D405-K): D405.1 Q1.1 R24.1
Net-(FL1-Pad4): FL1.4 L4.2
Net-(J1-CC1): J1.A5 R23.1
Net-(J1-CC2): J1.B5 R22.1
Net-(J2-Pin_1): C30.2 J2.1 Q2.2 R42.1 U8.6
Net-(J2-Pin_2): F1.1 J2.2
Net-(Q1-S): C26.2 C27.2 Q1.2 U7.1 U7.4
Net-(Q2-D): Q2.3 Q3.3
Net-(Q2-G): Q2.1 U8.1
Net-(Q3-G): Q3.1 U8.3
Net-(U1-PB11): R36.2 R37.1 U1.31
Net-(U3-CLK): U3.3 U5.3
Net-(U3-VCC): C8.2 U3.4 U5.2
Net-(U4-EN): C16.2 L2.1 U4.4 U4.5
Net-(U4-RFIN): C12.1 U4.3
Net-(U4-RFOUT): C20.2 FL1.1 U4.6
Net-(U5-DX_OUT): L3.1 U5.22
Net-(U5-RTC_I): C17.2 U5.12 Y1.2
Net-(U5-RTC_O): C15.2 U5.11 Y1.1
Net-(U5-VCORE): C22.1 L3.2 TP2.1 U5.23
Net-(U5-VDD12BB): C23.1 U5.24
Net-(U5-VDD12BK): C7.1 U5.5
Net-(U5-VDD_ANA): C13.1 U5.1
Net-(U5-VDD_BK): C10.2 R21.1 U5.6
Net-(U5-VDD_IO): C11.2 U5.7
Net-(U5-VDD_PLL): C18.2 U5.38
Net-(U5-VDD_RF): C19.2 U5.39
Net-(U7-SW): L5.1 U7.3
Net-(U7-VOUT): R25.1 R26.2 U7.5
Net-(U8-CS): R28.2 U8.2
Net-(U8-VCC): C30.1 R27.2 U8.5
Net-(U9-PROG): R30.1 U9.5
Net-(U9-~{CHRG}): R29.2 U9.1

Pads without a net: J1 A8 B8; U1 16 26; U5 4 8 9 13 14 15 16 17 20 25 26 27 28 29 31 32 33 34 36 37; U6 10 11; U8 4

## Via types
